# KiCad board soldiercrab_panel.kicad_pcb (continued)
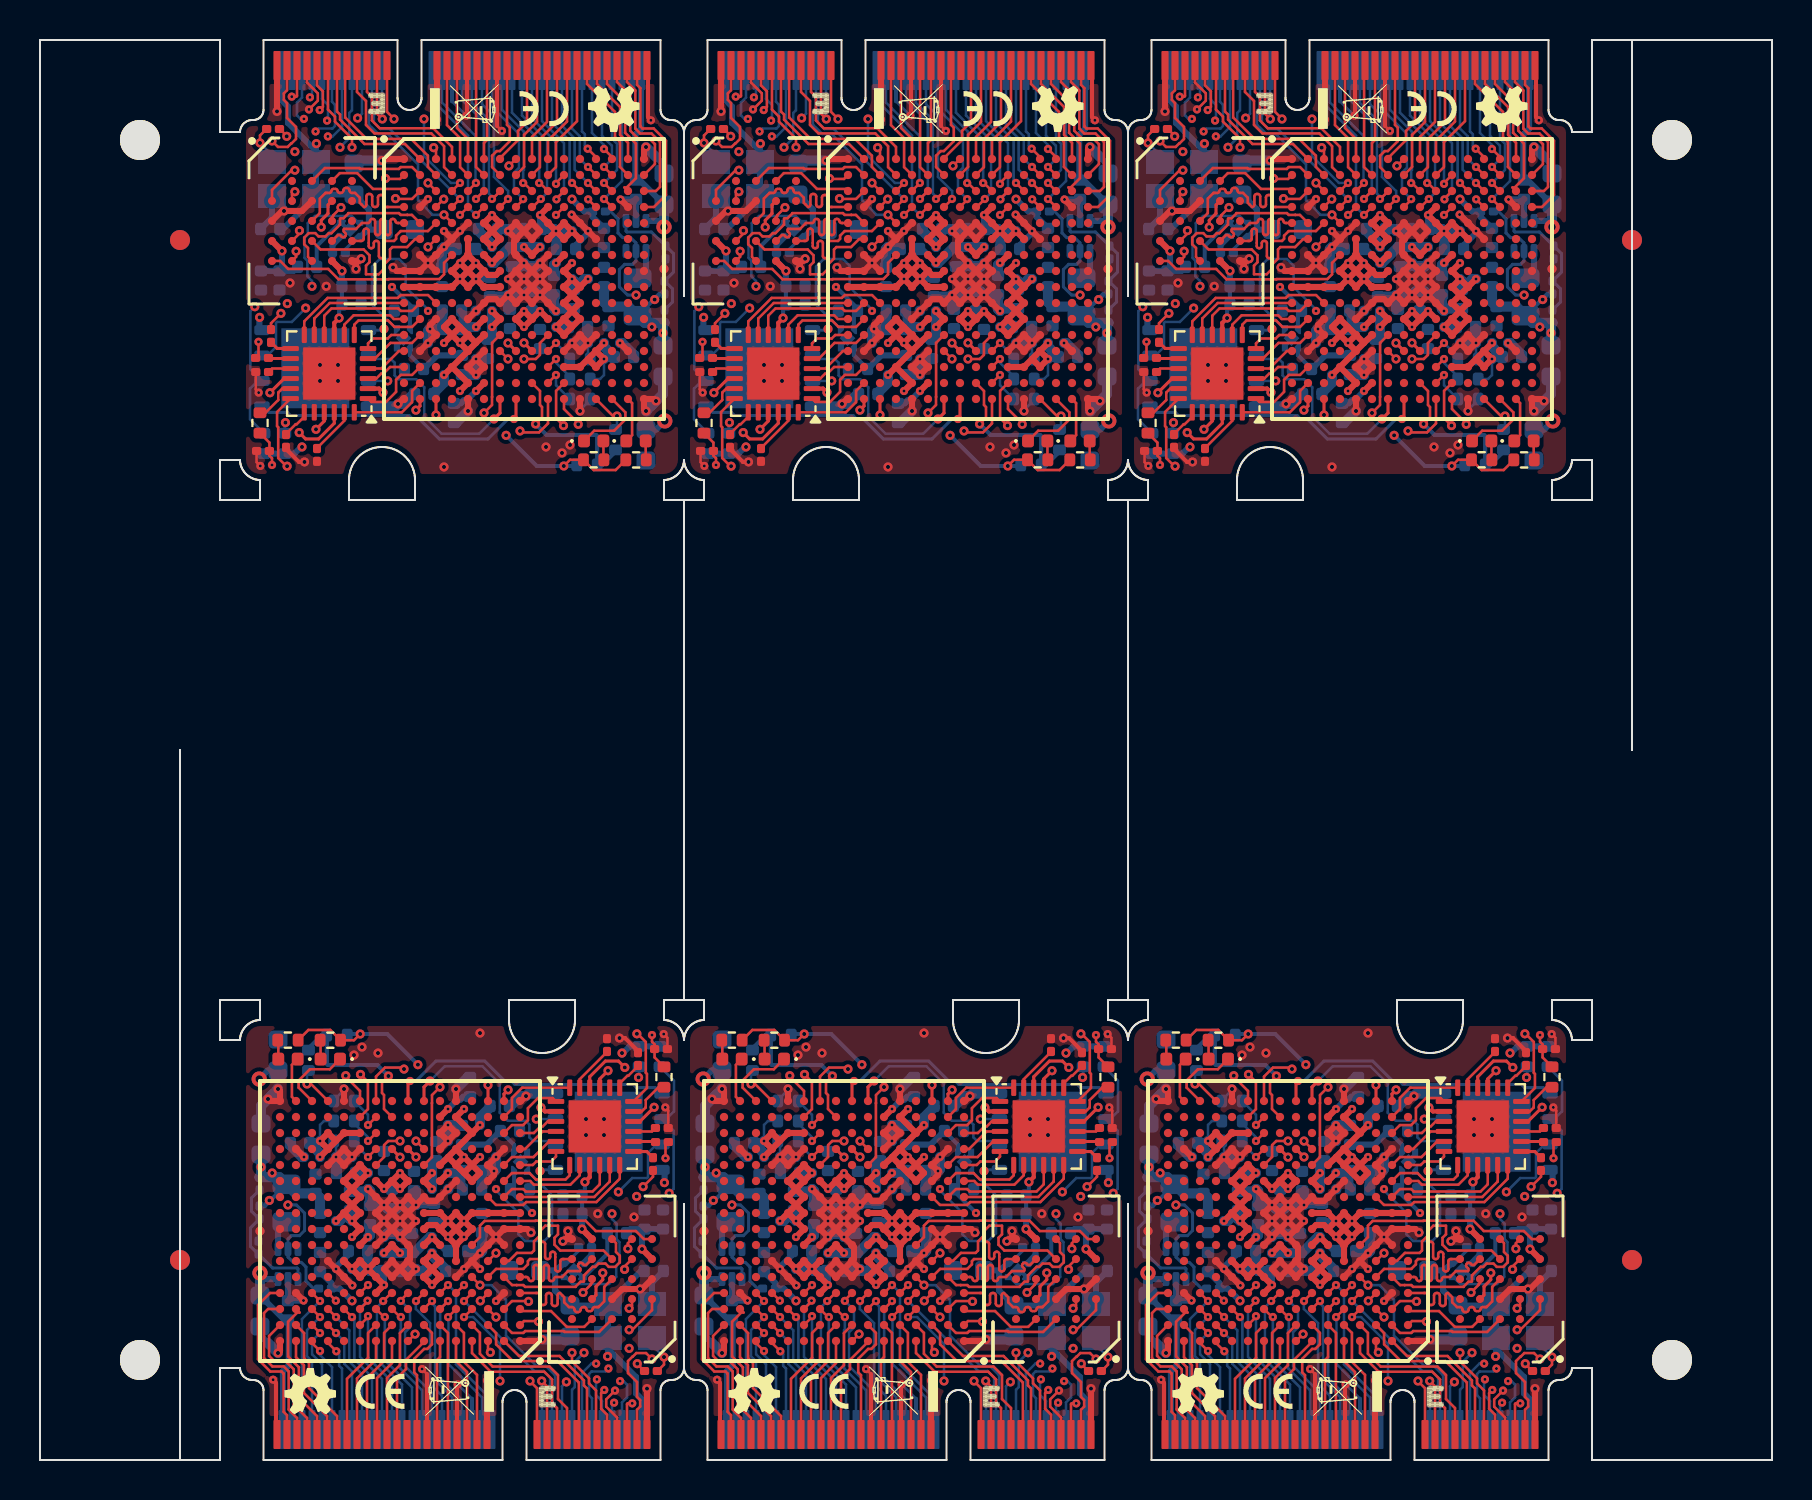
[diagram p0: board, top side]
## Routing (per net, layer and track width the routed paths; a pad name or vN(x,y) marks a point on that pad's centre or on a via; arc(x,y) is an arc through that point) (continued)
Board_0-/bank0_1/CLOCK_48MHZ: length 13.4
  Top w0.127: v2(23.45,64.71) 23.79,65.05 IC1#4.A8 ; 11.97,66.56 12.34,66.2 v2(12.34,66.18)
  In2.Cu w0.127: v2(12.34,66.18) 12.68,65.84 13.22,65.84 13.48,65.57 13.48,65.56 13.73,65.31 14.09,65.31 14.83,66.05 22.1,66.05 v2(23.45,64.71)
Board_0-/bank2_3/~{FPGA_SELF_PROGRAM}: length 2.1
  Top w0.127: 28.85,52.15 v2(28.85,52.2) 28.65,52.2 IC1#4.T13
  Bottom w0.127: 28.85,51.51 v2(28.85,52.2)
Board_0-/bank6_7/RAM.CK: length 12.5
  Top w0.127: v2(12.74,63.42) 12.6,63.27 U10#6.B2 ; IC1#4.C3 19.8,63.45 v2(19.4,63.85)
  In2.Cu w0.127: v2(12.74,63.42) 12.74,63.9 13.4,64.55 15.47,64.55 15.61,64.69 arc(15.78,64.76) 15.95,64.69 16.02,64.62 arc(16.19,64.55) 16.36,64.62 16.44,64.7 arc(16.51,64.87) 16.44,65.04 16.37,65.11 arc(16.3,65.28) 16.37,65.45 17.3,65.45 arc(17.53,65.36) 17.62,65.13 17.62,64.77 arc(17.71,64.55) 17.94,64.45 18.1,64.45 arc(18.33,64.55) 18.42,64.77 18.42,65.13 arc(18.51,65.36) 18.74,65.45 19.6,64.59 19.6,64.05 v2(19.4,63.85)
Board_0-/bank6_7/RAM.DQ0: length 8
  Top w0.127: U10#6.D3 14.03,60.53 16.18,60.53 16.47,60.24 16.47,59.89 16.3,59.72 16.3,59.29 16.93,59.29 17.23,59.58 17.23,59.8 17.5,60.07 17.5,60.53 17.62,60.65 18.35,60.65 18.76,61.05 IC1#4.F2
Board_0-/bank6_7/RAM.DQ1: length 7.2
  Top w0.127: IC1#4.B1 18,64.05 17.3,64.05 v2(17.28,64.08) ; U10#6.D2 12.97,61.32 v2(12.97,61.47)
  In2.Cu w0.127: v2(17.28,64.08) 15.33,64.08 12.97,61.72 v2(12.97,61.47)
Board_0-/bank6_7/RAM.DQ2: length 6.8
  Top w0.127: U10#6.C4 14.6,62.15 14.67,62.21 14.67,62.24 v2(15.05,62.62) ; IC1#4.C2 18.6,63.05 17.79,63.05 v2(17.77,63.07)
  In2.Cu w0.127: v2(17.77,63.07) 17.21,62.5 16.56,62.5 arc(16.43,62.56) 16.37,62.69 16.37,63.24 arc(16.32,63.38) 16.18,63.43 16.08,63.43 arc(15.95,63.38) 15.89,63.24 15.89,62.69 arc(15.84,62.56) 15.7,62.5 15.17,62.5 v2(15.05,62.62)
Board_0-/bank6_7/RAM.DQ3: length 7.5
  Top w0.127: U10#6.D4 14.88,61.23 arc(14.95,61.26) 15.02,61.23 15.09,61.16 arc(15.16,61.13) 15.23,61.16 15.27,61.2 arc(15.3,61.27) 15.27,61.34 15.2,61.41 arc(15.17,61.48) 15.2,61.55 15.8,61.55 16.1,61.85 16.4,61.85 arc(16.47,61.88) 16.5,61.95 arc(16.53,62.02) 16.6,62.05 16.65,62.05 arc(16.72,62.02) 16.75,61.95 16.75,61.35 arc(16.78,61.28) 16.86,61.25 16.91,61.25 arc(16.98,61.28) 17.01,61.35 17.01,61.95 arc(17.04,62.02) 17.11,62.05 17.16,62.05 arc(17.23,62.02) 17.26,61.95 17.26,61.35 arc(17.29,61.28) 17.36,61.25 17.41,61.25 arc(17.49,61.28) 17.52,61.35 17.52,61.95 arc(17.55,62.02) 17.62,62.05 17.67,62.05 arc(17.74,62.02) 17.77,61.95 arc(17.8,61.88) 17.87,61.85 IC1#4.E1
Board_0-/bank6_7/RAM.DQ4: length 7.9
  Top w0.127: U10#6.D5 16.08,60.95 arc(16.15,60.98) 16.18,61.05 16.18,61.46 arc(16.21,61.53) 16.28,61.56 16.33,61.56 arc(16.41,61.53) 16.44,61.46 16.44,60.69 arc(16.47,60.62) 16.54,60.59 16.59,60.59 arc(16.66,60.62) 16.69,60.69 16.69,60.85 arc(16.72,60.92) 16.79,60.95 16.84,60.95 arc(16.91,60.92) 16.94,60.85 16.94,60.19 arc(16.97,60.12) 17.05,60.09 17.1,60.09 arc(17.17,60.12) 17.2,60.19 17.2,60.85 arc(17.23,60.92) 17.3,60.95 17.7,60.95 17.8,61.06 17.8,61.21 18.04,61.45 19.4,61.45 IC1#4.E3
Board_0-/bank6_7/RAM.DQ5: length 8.1
  Top w0.127: IC1#4.E2 18.6,62.25 18.37,62.25 18.36,62.25 18.04,62.25 17.95,62.34 15.42,62.34 15.42,62.33 15.17,62.08 15.03,62.08 15,62.05 15,61.77 14.58,61.34 14.44,61.34 14.27,61.18 13.93,61.18 13.76,61.34 13.44,61.34 13.21,61.11 13.21,60.79 13.4,60.6 13.4,60.15 U10#6.E3
Board_0-/bank6_7/RAM.DQ6: length 7.8
  Top w0.127: U10#6.E2 12.81,60.16 v2(12.81,60.44) ; IC1#4.F3 19.8,61.05 v2(19.4,60.65)
  In2.Cu w0.127: v2(12.81,60.44) 13.02,60.65 v2(19.4,60.65)
Board_0-/bank6_7/RAM.DQ7: length 10.2
  Top w0.127: U10#6.E1 12.01,59.95 12.41,59.55 14.41,59.55 14.93,59.03 17.42,59.03 17.44,59.05 19.96,59.05 20.2,59.29 20.2,59.85 IC1#4.G4
Board_0-/bank6_7/RAM.RWDS: length 8.7
  Top w0.127: U10#6.C3 13.99,62.34 13.99,63.07 14.27,63.35 14.47,63.35 arc(14.54,63.38) 14.57,63.45 arc(14.6,63.52) 14.67,63.55 14.78,63.55 arc(14.85,63.52) 14.88,63.45 arc(14.91,63.38) 14.98,63.35 15.04,63.35 arc(15.13,63.39) 15.17,63.48 15.17,63.48 arc(15.2,63.57) 15.29,63.6 15.35,63.6 arc(15.44,63.57) 15.48,63.48 15.48,63.48 arc(15.51,63.39) 15.6,63.35 15.75,63.35 15.99,63.11 15.99,62.86 16.2,62.65 arc(16.28,62.68) 16.32,62.77 16.32,63.18 arc(16.35,63.27) 16.43,63.3 16.49,63.3 arc(16.57,63.27) 16.61,63.18 16.61,62.77 arc(16.64,62.68) 16.72,62.65 16.78,62.65 arc(16.86,62.68) 16.9,62.77 16.9,63.13 arc(16.93,63.22) 17.01,63.25 17.07,63.25 arc(17.15,63.22) 17.19,63.13 17.19,62.77 arc(17.22,62.68) 17.3,62.65 IC1#4.D1
Board_0-/bank6_7/RAM.~{CK}: length 12.5
  Top w0.127: IC1#4.D3 19.8,62.66 v2(20.19,63.04) ; U10#6.B1 11.6,63.51 12.58,64.49 v2(12.74,64.49)
  In2.Cu w0.127: v2(20.19,63.04) 19.9,63.33 19.9,64.65 18.85,65.71 16.27,65.71 15.77,65.21 15.76,65.21 15.35,64.81 13.06,64.81 v2(12.74,64.49)
Board_0-/bank6_7/RAM.~{CS}: length 5.9
  Top w0.127: IC1#4.B2 18.6,64.65 18.04,64.65 17.94,64.55 16.01,64.55 15.96,64.6 14.24,64.6 U10#6.A3
Board_0-/bank6_7/RAM.~{RESET}: length 4.1
  Top w0.127: IC1#4.C1 18.1,63.55 16.65,63.55 15.86,64.34 14.99,64.34 U10#6.A4
Board_0-/bank6_7/USB0.DATA0: length 2.2
  Top w0.127: U3#5.4 17.07,54.57 17.95,55.45 IC1#4.N1
Board_0-/bank6_7/USB0.DATA1: length 3.1
  Top w0.127: IC1#4.M2 18.6,55.85 17.52,55.85 16.74,55.07 U3#5.5
Board_0-/bank6_7/USB0.DATA2: length 2.2
  Top w0.127: U3#5.6 16.4,55.83 16.65,56.08 17.39,56.08 17.56,56.25 IC1#4.M1
Board_0-/bank6_7/USB0.DATA3: length 4.2
  Top w0.127: U3#5.7 15.71,56.77 15.93,56.98 17.4,56.98 17.73,56.65 18.6,56.65 IC1#4.L2
Board_0-/bank6_7/USB0.DATA4: length 3.8
  Top w0.127: U3#5.8 15.21,56.77 15.68,57.23 17.51,57.23 17.69,57.05 IC1#4.L1
Board_0-/bank6_7/USB0.DATA5: length 6.1
  Top w0.127: IC1#4.K2 18.6,57.45 18.04,57.45 17.91,57.58 14.58,57.58 14.21,57.22 U3#5.10
Board_0-/bank6_7/USB0.DATA6: length 5.6
  Top w0.127: U3#5.11 13.71,57.08 14.49,57.85 IC1#4.K1
Board_0-/bank6_7/USB0.DATA7: length 8
  Top w0.127: U3#5.12 13.21,56.93 14.38,58.1 17.89,58.1 18.04,58.25 19.4,58.25 IC1#4.K3
Board_0-/bank6_7/USB0.DIR: length 3.7
  Top w0.127: IC1#4.P2 18.6,54.25 18.04,54.25 17.8,54.01 17.8,53.41 17.3,52.9 16.57,52.9 U3#5.1
Board_0-/bank6_7/USB0.NXT: length 2
  Top w0.127: IC1#4.P1 17.51,54.65 17.17,54.32 17.06,54.32 16.81,54.07 U3#5.3
Board_0-/bank6_7/USB0.REFCLK: length 8.1
  Top w0.152: v2(13.8,51.53) 14.21,51.95 U3#5.21 ; v2(19.8,52.25) IC1#4.T3
  In2.Cu w0.152: v2(19.8,52.25) 19.5,51.95 14.22,51.95 v2(13.8,51.53)
Board_0-/bank6_7/USB0.STP: length 4.2
  Top w0.127: IC1#4.R2 18.6,53.45 18.6,52.9 18.09,52.38 U3#5.24
Board_0-/bank6_7/USB0.~{RESET}: length 9.7
  Top w0.152: U3#5.22 14.71,51.84 13.93,51.05 13.28,51.05 v2(12.96,51.37) ; v2(18.8,52.49) 19,52.7 IC1#4.T2
  In2.Cu w0.152: v2(18.8,52.49) 18.65,52.35 13.94,52.35 v2(12.96,51.37)
Board_0-/bank8_configuration/D0: length 14.9
  Top w0.152: IC1#4.T8 23.8,52.15 v1(23.7,52.05)
  Bottom w0.152: 10.97,52.68 11.13,52.68 11.43,52.38 12.37,52.38 12.53,52.22 18.45,52.22 18.62,52.06 18.95,52.06 19.97,51.05 22.4,51.05 23.4,52.05 v1(23.7,52.05)
Board_0-/bank8_configuration/D1: length 10.7
  Top w0.152: IC1#4.T7 23,52.35 v2(22.7,52.05)
  Bottom w0.127: v2(22.7,52.05) 21.97,51.32 20.08,51.32 19.22,52.18 19.22,53.64 18.81,54.04 17.92,54.04 17.73,54.23 17.73,54.87 17.54,55.05 16.47,55.05 16.3,55.22
Board_0-/bank8_configuration/D2: length 12.6
  Top w0.127: IC1#4.M7 22.6,55.85 22.6,53.16 22.6,53.15 22.6,52.75 v2(22.2,52.35)
  In1.Cu w0.127: v2(22.2,52.35) 21.68,51.83 17.98,51.83 17.18,52.63 17.18,52.76 17.73,53.3 17.73,53.62 v2(17.39,53.96)
  Bottom w0.127: v2(17.39,53.96) 17.38,53.95 16.3,53.95
Board_0-/bank8_configuration/D3: length 26.2
  Top w0.127: IC1#4.N7 23,55.45 v2(23.4,55.05)
  In1.Cu w0.127: v2(13.28,57.6) 13.28,57.23 12.17,56.12 12.17,52.36 11.85,52.04 11.85,51.7 12.11,51.44 12.43,51.44 12.95,51.95 14.02,51.95 14.42,51.55 22.8,51.55 23.3,52.06 23.3,54.96 v2(23.4,55.05)
  Bottom w0.127: v2(13.28,57.6) 12.59,56.9 11.85,56.9 11.8,56.85 11.8,55.65 11.37,55.22 10.97,55.22
Board_0-/bank8_configuration/FPGA_CFG0: length 1.7
  Top w0.127: IC1#4.N10 v1(25.8,55.85)
  Bottom w0.127: v1(25.8,55.85) 26.49,55.16 R12#3.1
Board_0-/bank8_configuration/FPGA_CFG1: length 1.9
  Top w0.127: IC1#4.P10 v1(25.8,55.05)
  Bottom w0.127: R13#3.1 26.49,54.17 25.8,54.86 v1(25.8,55.05)
Board_0-/bank8_configuration/FPGA_CFG2: length 2.1
  Top w0.127: IC1#4.R10 v1(25.8,54.25)
  Bottom w0.127: v1(25.8,54.25) 25.8,53.74 R14#4.1
Board_0-/bank8_configuration/FPGA_CONFIG.~{PROGRAM}: length 8.5
  Top w0.127: IC1#4.R9 25,53.45 25,52.75 25.1,52.65 25.1,52.12 v2(24.78,51.8)
  Bottom w0.203: 28.85,50.49 28.11,49.75 R6#4.2 27.86,51.19 27.8,51.25 25.33,51.25 v2(24.78,51.8)
Board_0-/bank8_configuration/FPGA_FLASH_CLK: length 22.8
  Top w0.152: v2(24.2,55.86) 24.6,55.46 IC1#4.N9
  In1.Cu w0.152: v2(24.2,55.86) 23.51,56.55 23.08,56.55 22.77,56.24 21.58,56.24 19.57,58.25 17.78,58.25 17.77,58.24 17.43,58.24 17.42,58.25 11.33,58.25 v2(10.74,57.66)
  Bottom w0.127: U7.6 10.52,54.53 10.52,57.45 v2(10.74,57.66) ; R109#5.2 10.5,52.04 10.5,53.57 10.88,53.95 11.05,53.95
Board_0-/bank8_configuration/~{CS_DI}: length 16.5
  Top w0.152: v2(23.4,55.85) IC1#4.N8
  In1.Cu w0.152: v2(23.4,55.85) 23.38,55.83 21.6,55.83 20.45,56.98 18.94,56.98 18.51,56.55 v2(17.2,56.55) 17.2,55.28 14.14,52.22 12.62,52.22 v2(12.27,51.87)
  Bottom w0.152: v2(12.27,51.87) 12.24,51.84 R110#6.2 ; 16.3,56.49 17.14,56.49 v2(17.2,56.55)
Board_0-/usb/ULPI_1V8: length 2.4
  Top w0.127: U3#5.23 15.21,51.96 13.85,50.6 C34.1
Board_0-/usb/ULPI_3V3: length 1.2
  Top w0.127: C36#4.1 11.6,54.57 U3#5.15
Board_0-ECP5_A2: length 7.6
  Top w0.127: IC1#4.A2 18.25,65.8 16.23,65.8 15,67.02 15,67.27 14.85,67.43 J1#3.13
Board_0-ECP5_A3: length 9.3
  Top w0.127: IC1#4.A3 19.8,65.5 v2(19.68,65.62) ; v2(15.6,65.63) 15.6,66.07 14.75,66.92 14.75,67.17 14.4,67.52 14.4,69.68 J1#3.11
  In1.Cu w0.127: v2(15.6,65.63) 15.62,65.62 v2(19.68,65.62)
Board_0-ECP5_A4: length 8
  Top w0.127: IC1#4.A4 20.6,65.65 19.67,66.59 16.99,66.59 16.6,66.98 16.6,68.16 16.35,68.4 J1#3.19
Board_0-ECP5_A5: length 4.9
  Top w0.127: IC1#4.A5 21.4,66.05 20.85,66.6 J1#3.37
Board_0-ECP5_A6: length 4.7
  Top w0.127: J1#3.43 22.35,66 22.2,65.85 IC1#4.A6
Board_0-ECP5_A7: length 5.3
  Top w0.127: J1#3.51 24.35,66.9 23.9,66.45 23.9,65.99 23.1,65.19 23,65.19 IC1#4.A7
Board_0-ECP5_A9: length 5
  Top w0.127: IC1#4.A9 24.6,66.15 25.35,66.9 J1#3.55
Board_0-ECP5_A10: length 5.1
  Top w0.127: IC1#4.A10 25.4,65.97 26.35,66.92 J1#3.59
Board_0-ECP5_A13: length 4.7
  Top w0.127: IC1#4.A13 27.8,65.15 v1(27.38,65.56)
  Bottom w0.127: J1#3.62 27.1,66.43 27.24,66.29 27.24,65.71 v1(27.38,65.56)
Board_0-ECP5_A14: length 4.8
  Top w0.127: v1(28.2,65.55) 28.6,65.15 IC1#4.A14
  Bottom w0.127: v1(28.2,65.55) 28.2,65.75 27.85,66.1 27.85,66.11 27.6,66.35 J1#3.64
Board_0-ECP5_A15: length 5.3
  Top w0.127: IC1#4.A15 29.4,65.86 29,66.26 29,67.65 27.85,68.8 J1#3.65
Board_0-ECP5_B3: length 8.7
  Top w0.127: IC1#4.B3 19.4,64.65 19.4,65.21 18.56,66.05 16.33,66.05 15.26,67.13 15.26,69.63 J1#3.15
Board_0-ECP5_B4: length 9.1
  Top w0.127: IC1#4.B4 20.2,64.65 20.2,65.69 19.56,66.33 16.72,66.33 16.3,66.75 16.3,67.95 15.85,68.4 J1#3.17
Board_0-ECP5_B5: length 5.9
  Top w0.127: J1#3.35 20.35,66.74 21,66.09 21,64.65 IC1#4.B5
Board_0-ECP5_B6: length 5.7
  Top w0.127: J1#3.41 21.8,69.68 21.8,64.65 IC1#4.B6
Board_0-ECP5_B7: length 6.2
  Top w0.127: IC1#4.B7 22.6,64.65 22.6,65.21 22.84,65.45 22.99,65.45 23.49,65.94 23.49,66.62 23.35,66.76 J1#3.47
Board_0-ECP5_B8: length 5.9
  Top w0.127: IC1#4.B8 24.2,64.65 24.2,66.26 24.85,66.9 J1#3.53
Board_0-ECP5_B9: length 6
  Top w0.127: IC1#4.B9 25,64.65 25,66.05 25.85,66.9 J1#3.57
Board_0-ECP5_B10: length 6.1
  Top w0.127: IC1#4.B10 25.8,64.65 25.8,65.89 26.85,66.94 J1#3.61
Board_0-ECP5_B11: length 6.8
  Top w0.127: IC1#4.B11 25.8,63.85 v1(25.8,63.81)
  Bottom w0.127: v1(25.8,63.81) 25.8,65.89 24.6,67.09 24.6,69.47 J1#3.52
Board_0-ECP5_B13: length 5.8
  Top w0.127: v1(27.4,64.65) 27.8,64.25 IC1#4.B13 27.76,64.25
  Bottom w0.127: J1#3.60 26.6,66.57 26.99,66.18 26.99,65.06 v1(27.4,64.65)
Board_0-ECP5_B14: length 5.8
  Top w0.127: IC1#4.B14 28.2,64.65 v1(28.2,64.65)
  Bottom w0.127: J1#3.66 28.1,66.21 28.6,65.71 28.6,65.05 v1(28.2,64.65)
Board_0-ECP5_B15: length 6.3
  Top w0.127: IC1#4.B15 29,64.65 29,65.91 28.75,66.15 28.75,67.4 27.35,68.8 J1#3.63
Board_0-ECP5_B16: length 6.8
  Top w0.127: J1#3.69 28.85,68.9 29.51,68.24 29.51,66.47 29.91,66.07 30.47,66.07 30.75,65.8 30.75,64.8 IC1#4.B16
Board_0-ECP5_C4: length 14.2
  Top w0.127: v1(21,63.85) 20.6,63.45 IC1#4.C4
  In1.Cu w0.127: v2(19.2,67.05) 18.72,66.57 14.19,66.57 13.96,66.81 13.96,66.99 13.9,67.05 v1(13.2,67.05)
  Bottom w0.127: v1(13.2,67.05) 13.02,67.05 12.85,67.23 12.85,67.87 13.1,68.12 J1#3.6 ; 20.91,63.76 v1(21,63.85) 20.55,63.85 19.2,65.2 v2(19.2,67.05)
Board_0-ECP5_C5: length 6.9
  Top w0.127: v1(21.8,63.85) 21.4,63.46 IC1#4.C5 21.4,63.46
  Bottom w0.127: J1#3.34 20.1,67.88 21.15,66.82 21.15,66.82 21.77,66.2 21.77,63.88 v1(21.8,63.85)
Board_0-ECP5_C6: length 7.6
  Top w0.127: 21.79,63.05 21.8,63.05 v1(21.8,63.05) 21.8,63.06 22.19,63.45 IC1#4.C6
  Bottom w0.127: 21.79,63.05 22.19,63.45 22.19,66.9 21.1,67.99 J1#3.38
Board_0-ECP5_C7: length 7.5
  Top w0.127: IC1#4.C7 23,63.43 22.66,63.1
  Bottom w0.127: J1#3.40 21.6,67.85 22.45,67.01 22.45,63.32 22.6,63.16 v1(22.6,63.05) 22.71,63.05 22.66,63.1
Board_0-ECP5_C9: length 6.7
  Top w0.127: v1(24.16,63.85) 24.2,63.85 IC1#4.C9
  Bottom w0.127: J1#3.46 23.1,67.51 24.2,66.41 24.2,64.51 24.16,64.46 v1(24.16,63.85)
Board_0-ECP5_C10: length 6.8
  Top w0.127: v1(24.96,63.85) 25,63.85 IC1#4.C10
  Bottom w0.127: v1(24.96,63.85) 24.96,66.01 23.6,67.37 J1#3.48
Board_0-ECP5_C11: length 7.6
  Top w0.127: v1(25.82,63.03) 25.82,63.07 IC1#4.C11
  Bottom w0.127: v1(25.82,63.03) 26.2,63.41 26.2,65.85 25.1,66.95 J1#3.54
Board_0-ECP5_C12: length 6.6
  Top w0.127: IC1#4.C12 27,63.45 v1(26.6,63.85)
  Bottom w0.127: v1(26.6,63.85) 26.48,63.97 26.48,65.97 25.6,66.85 J1#3.56
Board_0-ECP5_C13: length 6.7
  Top w0.127: IC1#4.C13 v1(27.4,63.85)
  Bottom w0.127: v1(27.4,63.85) 26.73,64.52 26.73,66.08 26.1,66.71 J1#3.58
Board_0-ECP5_C14: length 6.6
  Top w0.127: v1(28.2,63.85) 28.2,63.85 IC1#4.C14
  Bottom w0.127: J1#3.68 28.6,66.07 28.85,65.82 28.85,64.5 v1(28.2,63.85)
Board_0-ECP5_C15: length 7.2
  Top w0.127: J1#3.67 28.35,68.8 29.26,67.89 29.26,66.36 29.8,65.82 29.8,64.09 29.33,63.62 29.23,63.62 IC1#4.C15
Board_0-ECP5_C16: length 8
  Top w0.127: IC1#4.C16 30.8,63.45 31,63.65 31,65.9 30.58,66.32 30.01,66.32 29.77,66.57 29.77,68.48 29.35,68.9 J1#3.71
Board_0-ECP5_D4: length 9.3
  Top w0.127: IC1#4.D4 20.93,62.98 v1(21,63.05) 20.93,63
  Bottom w0.127: v1(21,63.05) 20.99,63.05 17.49,66.55 17.02,66.55 16.7,66.88 16.7,67.25 17.1,67.65 J1#3.22
Board_0-ECP5_D5: length 16.4
  Top w0.127: 21.4,62.64 IC1#4.D5 21.4,62.65 v1(21,62.25)
  In1.Cu w0.127: v1(21,62.25) 20.6,62.65 20.6,65.55 20.12,66.04 19.51,66.04 19.34,65.87 15.96,65.87 15.77,66.05 14.83,66.05 14.17,65.4 13.65,65.4 12.8,66.25 12.8,67.44 v1(13.5,68.13)
  Bottom w0.127: v1(13.5,68.13) 13.6,68.24 J1#3.8
Board_0-ECP5_D6: length 8.7
  Top w0.127: 21.79,62.25 21.8,62.25 v1(21.8,62.25) 21.8,62.26 22.19,62.65 IC1#4.D6
  Bottom w0.127: 21.79,62.25 21.4,62.64 21.4,66.22 21.05,66.57 21.05,66.57 19.6,68.02 J1#3.32
Board_0-ECP5_D7: length 7.6
  Top w0.127: 23.41,63.05 23.41,63.05 v1(23.4,63.05) 23.4,63.04 23.01,62.65 IC1#4.D7
  Bottom w0.127: 23.41,63.05 23.41,63.45 22.7,64.15 22.7,67.19 22.1,67.79 J1#3.42
Board_0-ECP5_D8: length 7.8
  Top w0.127: v1(24.16,63.05) 24.16,63.01 IC1#4.D8
  Bottom w0.127: v1(24.16,63.05) 23.7,63.5 23.7,64.36 23.95,64.61 23.95,66.3 22.6,67.65 J1#3.44
Board_0-ECP5_D9: length 7.7
  Top w0.127: IC1#4.D9 24.64,62.65 v1(25.04,63.05)
  Bottom w0.127: v1(25.04,63.05) 25.35,63.36 25.35,65.97 24.1,67.23 J1#3.50
Board_0-ECP5_D11: length 19.1
  Top w0.127: v1(25.8,62.25) 26.2,62.65 IC1#4.D11
  In2.Cu w0.127: v1(25.8,62.25) 25.4,62.66 24.88,62.66 24.55,62.98 24.55,64.19 23.62,65.12 23.39,65.12 22.21,66.31 14.82,66.31 14.56,66.57 13.93,66.57 v1(13.78,66.43)
  Bottom w0.127: J1#3.12 14.6,67.91 14.75,67.76 14.75,66.7 14.62,66.57 13.93,66.57 v1(13.78,66.43)
Board_0-ECP5_D13: length 20.5
  Top w0.127: IC1#4.D13 27.79,62.65 v1(27.41,63.03) ; IC1#4.D13 27.8,62.65 ; IC1#4.D13 27.76,62.65
  In1.Cu w0.127: v1(27.41,63.03) 27.41,62.54 26.72,61.85 23.9,61.85 23,62.76 23,63.52 20.19,66.32 14.53,66.32 v1(14.39,66.18)
  Bottom w0.127: v1(14.39,66.18) 14.63,66.18 15.1,66.65 15.1,69.47 J1#3.14
Board_0-ECP5_D14: length 7.4
  Top w0.127: IC1#4.D14 v1(28.2,63.05)
  Bottom w0.127: v1(28.2,63.05) 29.1,63.95 29.1,67.95 29.1,67.95 J1#3.70
Board_0-ECP5_D16: length 8.8
  Top w0.127: IC1#4.D16 30.7,62.65 31.3,63.25 31.3,65.96 30.68,66.58 30.12,66.58 30.02,66.68 30.02,68.59 29.85,68.76 J1#3.73
Board_0-ECP5_E4: length 10
  Top w0.127: v2(20.2,62.26) 20.6,61.86 IC1#4.E4
  Bottom w0.127: J1#3.20 16.6,67.55 16.44,67.4 16.44,66.77 16.92,66.3 17.38,66.3 18.9,64.78 18.9,62.99 19.63,62.26 v2(20.2,62.26)
Board_0-ECP5_M10_TDO: length 20.8
  Top w0.127: v2(17.7,67.05) 17.7,67.06 17.35,67.41 J1#3.23 ; IC1#4.M10 25,55.85 25,55.25 24.79,55.05 v2(24.2,55.05)
  In4.Cu w0.127: v2(17.7,67.05) 18.7,66.05 18.7,59.05 23.2,54.55 23.7,54.55 v2(24.2,55.05)
Board_0-ECP5_R11_TDI: length 27.6
  Top w0.127: IC1#4.R11 25.8,53.45 25.8,52.09 v2(26.18,51.72)
  In4.Cu w0.127: v2(15.88,67.1) 15.88,66.87 17.18,65.57 17.77,65.57 18.19,65.15 18.19,56.6 18.7,56.1 18.7,54.55 20.2,53.05 24.84,53.05 v2(26.18,51.72)
  Bottom w0.127: v2(15.88,67.1) 16.1,67.31 J1#3.18
Board_0-ECP5_T10_TCK: length 28.3
  Top w0.127: v2(24,51.45) 24.07,51.38 24.95,51.38 25.4,51.83 IC1#4.T10
  In4.Cu w0.127: v1(14.35,66.97) 14.86,66.97 16.68,65.15 16.68,64.8 16.93,64.55 17.7,64.55 17.9,64.35 17.9,63.79 17.35,63.24 17.35,62.9 17.94,62.31 17.94,60.51 17.2,59.78 17.2,58.49 17.94,57.75 17.94,56.5 18.45,55.99 18.45,54.44 21.26,51.63 22.87,51.63 22.9,51.65 23.8,51.65 v2(24,51.45)
  Bottom w0.127: J1#3.10 14.1,68.05 14.4,67.75 14.4,67.02 v1(14.35,66.97)
Board_0-ECP5_T11_TMS: length 26.7
  Top w0.127: IC1#4.T11 26.2,52.55 26.91,51.84 v2(26.91,51.78) ; J1#3.21 16.85,67.32 v2(17.12,67.05)
  In4.Cu w0.127: v2(26.91,51.78) 26.91,51.84 25.44,53.31 22.51,53.31 21.96,53.85 19.75,53.85 18.95,54.66 18.95,56.27 18.45,56.77 18.45,65.72 17.53,66.63 17.53,66.63 17.12,67.04 v2(17.12,67.05)
Board_0-EN: length 45.1
  In2.Cu w0.127: v2(13.6,58.68) 14.23,58.05 18.8,58.05 v1(19.4,57.45)
  In2.Cu w0.152: v2(29.8,58.25) 29.8,56.08 27.57,53.84 24,53.84 23.2,53.04 20.61,53.04 18.99,54.66 18.99,57.04 v1(19.4,57.45)
  Bottom w0.127: v2(13.6,58.68) 13.6,58.95 13.37,59.19 13.37,59.97 13.23,60.11 13.23,61.13 13.39,61.3 13.39,61.84 13.75,62.2 15.58,62.2 U4#3.3 ; U2.3 16.6,57.77 16.6,59.66 16.99,60.05 17.94,60.05 18.28,59.71 18.28,58.64 19.4,57.52 v1(19.4,57.45)
  Bottom w0.152: v2(29.8,58.25) 29.38,58.25 28.97,58.65 28.97,59.53 29.23,59.78 29.63,59.78 29.8,59.95 U1#3.5 29.8,60.85 29.53,61.12 29.13,61.12 28.9,61.35 28.9,62.05 28.53,62.43 R1#5.1
Board_0-GND: length 114.2
  Top w0.127: C37#2.2 10.83,49.89 v1(11.02,49.7) ; C36#4.2 10.79,53.52 v1(10.93,53.37) ; v1(13.45,67.53) 13.89,67.97 13.89,68.33 13.35,68.87 J1#3.7 ; 30.4,69.67 J1#3.75 ; v1(30.54,66.99) 30.4,67.13 ; 22.85,66.7 v1(23.1,66.45) ; v1(21.32,67.22) 21.35,67.25
  Top w0.203: J1#3.45 22.85,66.7 ; 30.4,67.13 30.4,69.67 ; 12.38,50.63 12.38,50.48 12.95,49.9 v2(13.23,49.9) ; 21.35,67.25 J1#3.39
  Top w0.305: v1(26.6,55.85) IC1#4.M12 v1(27.4,55.85) ; v1(26.6,55.85) IC1#4.N11 ; v1(26.6,55.85) IC1#4.N12 v1(27.4,55.85) ; v2(11.85,67.43) J1#3.1 ; v1(24.2,59.85) IC1#4.H8 ; v1(24.2,59.85) IC1#4.H9 ; v1(24.2,59.85) IC1#4.G8 23.7,60.35 23.7,60.95 IC1#4.F8 ; IC1#4.H8 v1(23.4,59.05) IC1#4.J8 ; IC1#4.H8 v1(24.2,59.05) ; IC1#4.A16 30.2,65.55 v2(30.3,65.65) ; J1#3.33 v1(19.85,67.03) ; U10#6.C1 12.1,62.45 v2(12.2,62.45) 13.1,62.45 U10#6.B3 ; v1(25,58.25) IC1#4.J9 ; v1(25,58.25) IC1#4.K9 v1(24.2,58.25) ; v1(25,58.25) IC1#4.J10 v1(25,59.05) ; v1(25,58.25) IC1#4.K10 v1(25.8,57.45) ; IC1#4.J9 v1(25,59.05) ; IC1#4.J9 v1(24.2,58.25) ; IC1#4.J9 v1(24.2,59.05) ; IC1#4.T1 18.15,53.05 v2(17.9,52.8) ; v1(19.4,59.85) IC1#4.G3 v1(20.2,60.65) IC1#4.F4 ; v1(19.4,59.85) IC1#4.H3 ; v1(19.4,59.85) IC1#4.G2 ; v1(19.4,59.85) IC1#4.H2 IC1#4.H1 17.83,59.45 v2(17.65,59.63) ; v1(27.4,55.85) IC1#4.M13 ; IC1#4.F4 v1(21,61.45) IC1#4.E5 ; IC1#4.F4 v1(20.2,61.45) ; IC1#4.T5 v2(21.4,52.45) ; IC1#4.D2 v1(19.4,63.05) ; v2(16.06,60.06) 15.95,59.95 U10#6.E5 15.8,59.75 v2(15.8,59.55) ; IC1#4.L5 v1(21.8,57.45) IC1#4.K6 22.4,58.05 22.8,58.05 IC1#4.K7 v1(23.4,58.25) ; IC1#4.N2 v1(19.4,55.85) IC1#4.M3 v1(19.5,56.55) 19.5,56.75 IC1#4.L3 ; v1(26.58,62.27) 26.58,62.27 IC1#4.E12 v1(27.4,61.45) IC1#4.F13 ; v2(17.1,64.97) 17.18,65.05 IC1#4.A1 ; v1(25,59.05) IC1#4.H9 ; v1(25,59.05) IC1#4.H10 v1(25,59.85) ; v1(29.03,63.03) 29.03,63.02 IC1#4.D15 ; v1(25,59.85) IC1#4.H9 ; v1(25,59.85) IC1#4.G10 ; v1(24.2,58.25) IC1#4.J8 ; v1(24.2,58.25) IC1#4.K8 v1(23.4,58.25) ; IC1#4.J8 v1(24.2,59.05) ; IC1#4.J8 v1(23.4,58.25) ; v1(24.2,59.05) IC1#4.H9 ; v1(21.8,55.05) IC1#4.P5 v1(21.8,54.25) IC1#4.P6 v1(21.8,55.05) ; v1(21.8,55.05) IC1#4.N6 ; IC1#4.F8 v1(23.4,61.45) IC1#4.E8 IC1#4.F9 25,61.45 IC1#4.E9 IC1#4.F8 ; v2(30.8,52.95) 30.7,53.05 IC1#4.T16 30.2,52.55 v2(30.3,52.45) ; IC1#4.N15 v1(29,55.85) ; IC1#4.T12 v2(27,52.45)
  In2.Cu w0.127: v1(11.02,49.7) 11.02,49.87 11.38,50.23 12.89,50.23 v2(13.23,49.9)
  Bottom w0.127: v1(27.4,55.85) 27.4,55.16 R12#3.2 ; U2.2 18.17,55.99 U2.2 ; 19.36,56.09 19.4,56.05 ; R3#6.2 31.28,59.63 v2(31.2,59.55) ; v1(21.32,67.22) 20.6,67.93 ; v2(27,52.45) 27,52.49 27.51,53.01 R14#4.2
  Bottom w0.203: 20.6,67.93 J1#3.36 ; U4#3.2 15.4,61.53 U4#3.2 15,61.85 13.84,60.69 C65#6.2
  Bottom w0.305: v1(29.03,63.03) 29.8,63.03 U1#3.2 ; 30.8,65.15 31.2,64.75 C2#6.2 ; v2(12.2,62.45) 12.2,62.6 Y1#2.2 11.6,62.12 C10#3.2 ; v1(26.58,62.27) 27.4,61.45 v1(27.4,61.45) 27.4,61.35 26.78,60.73 C79#3.2
  Bottom w0.508: C24#2.2 25.7,57.55 v1(25.8,57.45) 25.92,57.57 C16#4.2 ; v1(23.4,58.25) v1(24.2,58.25) 24.38,58.43 C17#4.2 24.82,58.43 v1(25,58.25) 25.42,58.25 ; v1(23.4,58.25) 23.4,57.53 ; v1(23.4,58.25) 23.32,58.17 C19#5.2 ; C4#4.2 15.85,64.97 v2(17.1,64.97) ; C18#2.2 23.3,61.55 v1(23.4,61.45) 23.5,61.55 C14#4.2 ; C15#2.2 20.3,60.55 v1(20.2,60.65) 20.1,60.55 C83#6.2 ; C9#4.2 24.02,59.67 v1(24.2,59.85) 24.38,59.67 C13#3.2 24.82,59.67 v1(25,59.85) ; C12#6.2 C33#3.2 v1(19.5,56.55) 19.4,56.45 v1(19.4,55.85) ; v1(29,55.85) 29.1,55.85 29.68,55.27 C80#3.2 ; C26#5.2 22.38,55.05 v1(21.8,55.05) v1(21.8,54.25) 21.12,54.25 C22#3.2 ; C3#3.2 31.15,53.3 30.57,52.73 ; C8#6.2 27.38,55.87 v1(27.4,55.85) v1(26.6,55.85) ; 21.78,57.47 v1(21.8,57.45) ; 18.72,53.35 18.17,52.8 v2(17.9,52.8) 17.78,52.68 16.3,52.68 ; v2(30.8,52.95) 30.57,52.73 ; 30.57,52.73 v2(30.3,52.45) 30.32,52.42 ; v2(30.3,65.65) 30.8,65.15 ; C81#4.2 20.82,51.87 v2(21.4,52.45)
  vias: v2(12.5,58.85) v2(14,54.75) v2(14,53.95) v2(14.31,58.68) v2(14.9,54.75) v2(14.9,53.95) v2(20.2,49.65) v2(25.3,50.65) v2(26.1,50.35) v2(26.5,50.75)
Board_0-Net-(D1-A): length 1
  Top w0.127: R11#5.1 30.29,50.03 D1#2.2
Board_0-Net-(D1-K): length 2.3
  Top w0.127: IC1#4.T15 29.6,52.85 29.6,51.24 D1#2.1
Board_0-Net-(D2-A): length 1
  Top w0.127: D2#2.2 28.17,50.03 R15.1
Board_0-Net-(D2-K): length 3.8
  Top w0.127: D2#2.1 27.71,51.46 28.71,51.46 29.27,52.03 29.27,52.38 IC1#4.T14
Board_0-Net-(U1-FB): length 6.7
  Bottom w0.152: R2#3.1 31.63,57.9 31.63,58.56 31.25,58.94 C25#4.1 31.68,59.4 31.68,60.32 31.3,60.7 R3#6.1 30.57,61.4 29.35,61.4 29.3,61.45 U1#3.1
Board_0-Net-(U1-SW): length 1.5
  Bottom w0.305: U1#3.4 30.3,59.52 L1.1
Board_0-Net-(U3-DM): length 1.1
  Top w0.152: U3#5.14 12.52,55.07 11.42,55.07
Board_0-Net-(U3-DP): length 1.1
  Top w0.152: R10#3.2 11.86,55.58 12.52,55.58 U3#5.13
Board_0-Net-(U3-RBIAS): length 1.5
  Top w0.127: 12.38,51.27 12.38,51.38 12.79,51.79 12.84,51.79 13.21,52.17 U3#5.19
Board_0-Net-(U3-VBUS): length 2.2
  Top w0.127: U3#5.17 12.11,53.57 11.91,53.37 11.91,53 11.27,52.36 R8#4.1
Board_0-Net-(Y1-OUT): length 2.1
  Top w0.127: v2(11,65.85) 11,66.23 11.33,66.56
  Bottom w0.127: Y1#2.3 11.6,65.25 v2(11,65.85)
Board_0-USB0_DM: length 16.8
  Top w0.127: v1(12.59,68.17) 12.82,68.17 12.85,68.2 J1#3.5 ; v1(10.92,55.91) 10.92,55.25 10.78,55.1 10.78,55.07
  In2.Cu w0.127: v1(12.59,68.17) 12.59,67.44 11.9,66.75 11.31,66.75 10.58,66.03 10.58,65.68 11.03,65.24 11.03,65.07 11.01,65.06 11.01,58.01 11.5,57.52 11.5,56.49 v1(10.92,55.91)
Board_0-USB0_DP: length 15.7
  Top w0.127: J1#3.3 12.35,68.49 12.19,68.33 12.19,68 12.35,67.85 12.35,67.1 12.8,66.65 12.8,66.05 12.58,65.84 12.57,65.84 12.39,65.65 11.9,65.65 v2(11.6,65.95) ; 11.45,56.52 R10#3.1 11.55,56.84 v2(12.05,57.33)
  In2.Cu w0.127: v2(11.6,65.95) 11.6,65.29 11.27,64.95 11.27,58.11 v2(12.05,57.33)
Board_0-USB0_ID: length 28.8
  Top w0.127: v2(12.36,49.69) 12.32,49.69 11.91,50.1 11.91,51.64 11.85,51.7 11.85,52.4 U3#5.18
  In4.Cu w0.127: v2(12.36,49.69) 12.26,49.69 11.67,50.28 11.67,52.94 11.91,53.19 11.91,55.31 11.4,55.83 11.4,59.52 10.56,60.35 10.56,64.62 10.95,65 14.37,65 v2(15,65.63)
  Bottom w0.127: v2(15,65.63) 15.46,66.1 15.46,67.35 15.6,67.49 J1#3.16
Board_0-USB0_VBUS: length 24.5
  Top w0.127: J1#3.9 13.85,68.73 14.14,68.44 14.14,67.65 v1(13.99,67.5) ; v1(11.6,49.75) 11.6,50.09 11.47,50.22 11.47,50.87 R8#4.2
  In1.Cu w0.127: v1(11.6,49.75) 11.6,50.2 11.9,50.5 11.9,51.29 11.6,51.59 11.6,52.15 11.91,52.46 11.91,56.23 12.54,56.85 12.54,57.65 v2(12.37,57.82)
  In2.Cu w0.127: v2(12.74,65.42) 12.09,65.42 11.52,64.85 11.52,58.67 v2(12.37,57.82)
  In4.Cu w0.127: v1(13.99,67.5) 13.68,67.19 13.68,66.98 12.74,66.04 v2(12.74,65.42)
Board_0-VCCRAM: length 38.3
  Top w0.152: U10#6.B4 14.4,62.75 14.4,62.32 14.06,61.98 v2(14.06,61.64)
  Top w0.203: U3#5.9 14.71,56.86 v2(14.95,57.1) ; U3#5.2 16.96,53.57 v2(17.15,53.38)
  Top w0.305: IC1#4.J7 IC1#4.J6 22.2,58.65 v1(21.8,59.05) ; IC1#4.P4 IC1#4.N5 ; IC1#4.P4 v1(20.2,54.25) ; IC1#4.P4 IC1#4.R5 v1(21,53.45) ; IC1#4.N5 21.8,55.85 ; IC1#4.N5 v1(21,55.85) ; IC1#4.M5 v1(21,55.85) ; IC1#4.M5 21,56.65 ; IC1#4.M5 21.8,55.85 ; v1(21,55.85) IC1#4.M4 ; 21,56.65 IC1#4.M4 ; 21,56.65 IC1#4.L4 20.2,56.65 IC1#4.M4 ; 21.8,55.85 IC1#4.M6 ; IC1#4.M4 v1(20.2,55.85) ; v1(21.8,59.05) 21.8,59.05 ; v1(21.8,59.05) 21.8,59.05 IC1#4.H6 ; 21.8,59.05 IC1#4.H5 ; 21.8,59.05 IC1#4.J5 21,59.05 ; IC1#4.H7 22.8,59.25 22.4,59.25 IC1#4.H6 ; 21,59.85 IC1#4.H4 21,59.05 ; 21,59.85 IC1#4.H5 ; 21,59.85 v1(21,59.85) 21,59.85 IC1#4.G5 ; IC1#4.H5 21.8,59.85 ; IC1#4.H5 21,59.05 v1(21,59.05) 21,59.05 ; 21,59.05 IC1#4.J4 IC1#4.J3 IC1#4.J2 IC1#4.J1 ; IC1#4.H6 21.8,59.85 ; 21.8,59.85 v1(21.8,59.85) 21.8,59.85 IC1#4.G5 ; IC1#4.G5 IC1#4.F5 ; U10#6.D1 v2(12.1,60.45) ; U10#6.E4 v2(15.1,59.45)